# Allegro board 6089-119-RevA_41.brd (continued)
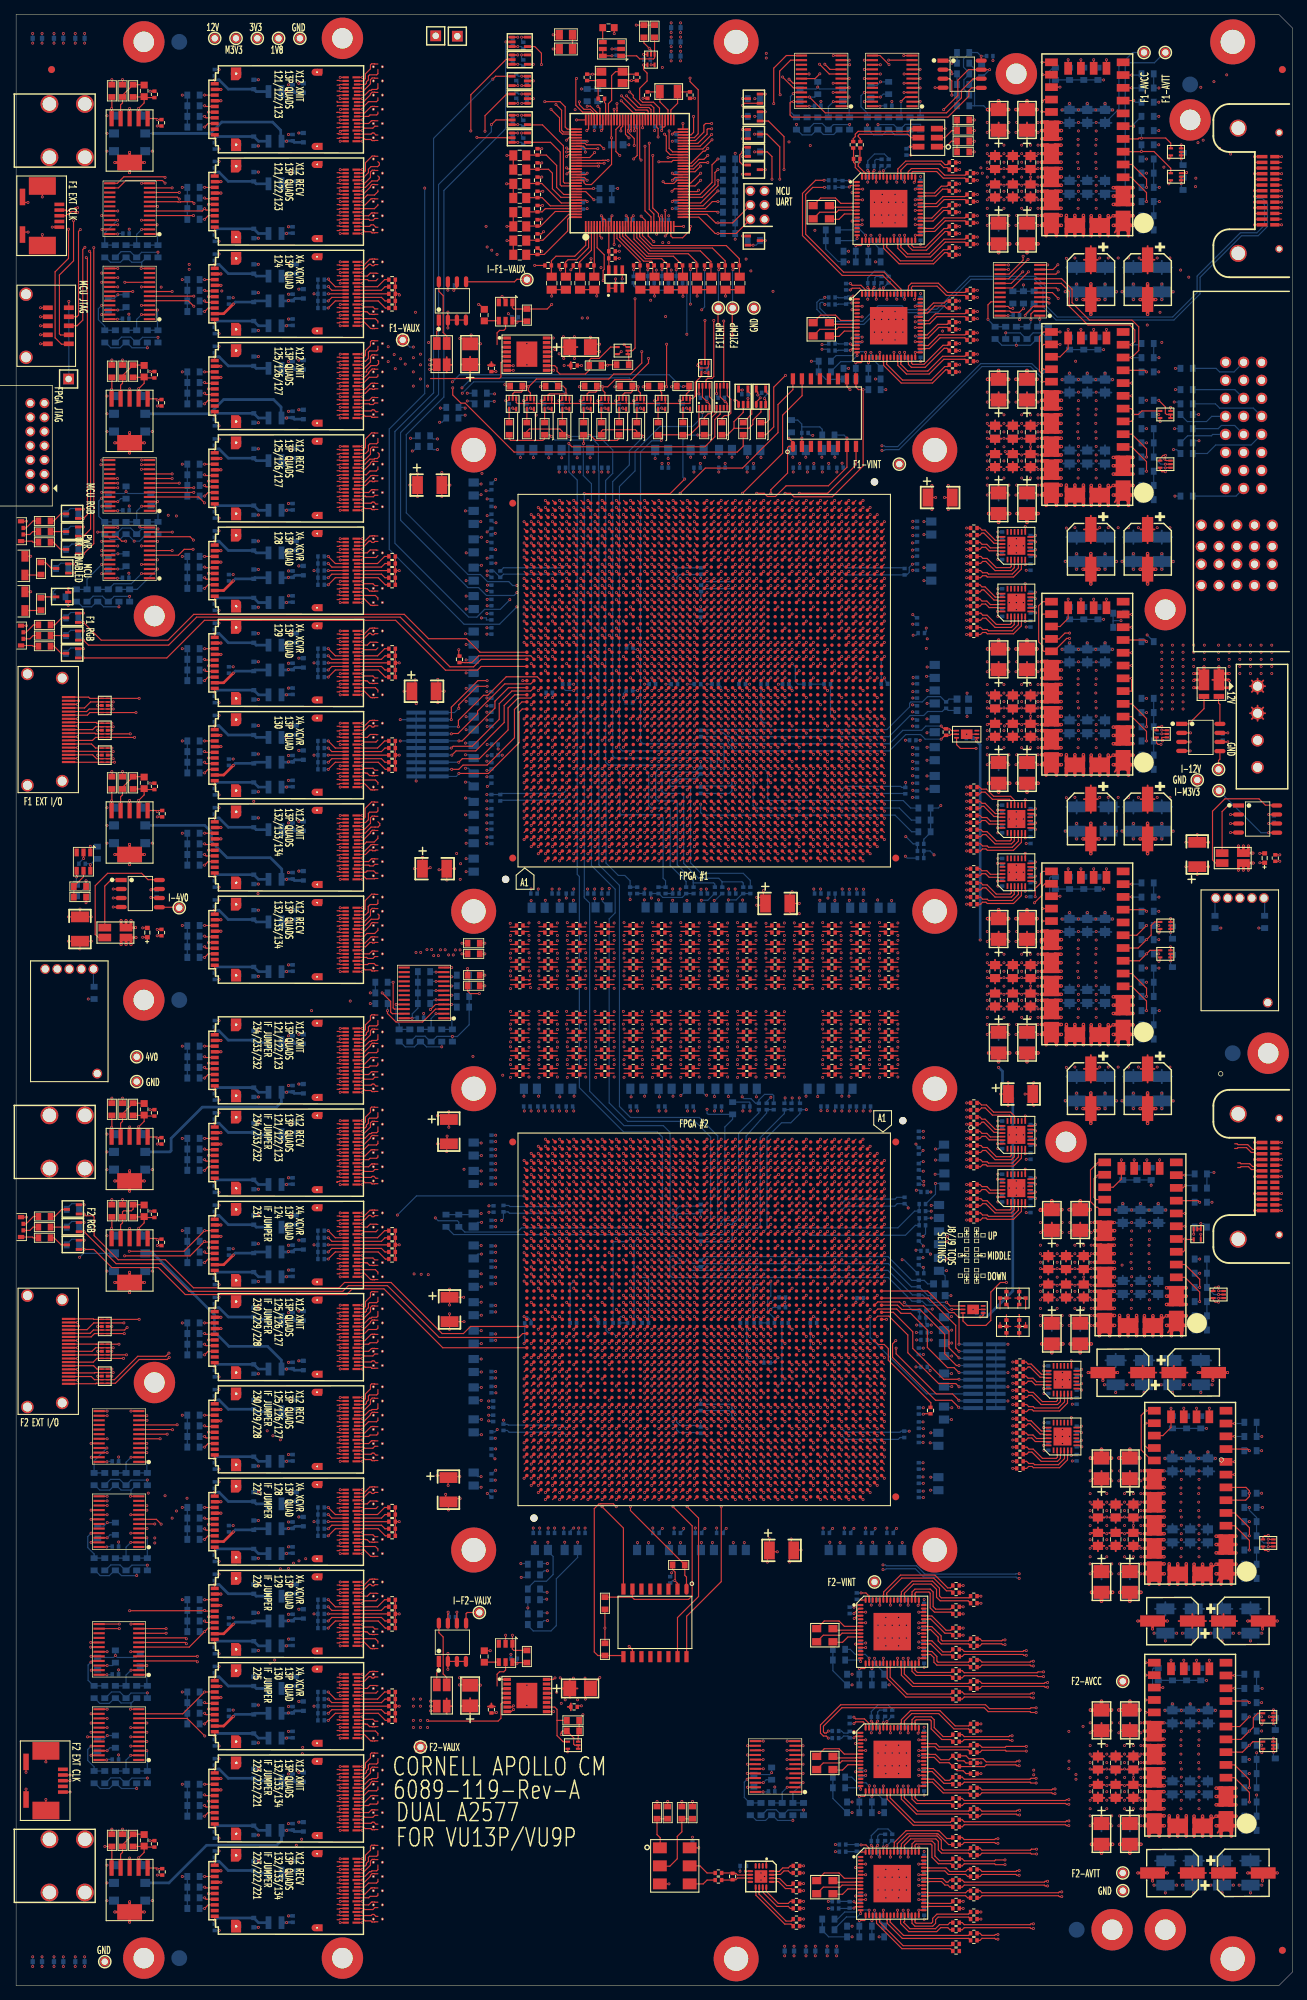
[diagram p0: board, top side]
## Nets (continued)
BC_NR1C_9: C316.1 U89.58
BC_NSYN_R0A_INA: C847.1 U87.53
BC_NUTIL: C191.1 U71.5
BC_NUTIL_0: C235.1 U82.10
BC_NUTIL_1: C233.1 U82.12
BC_NUTIL_2: C231.1 U82.14
BC_NUTIL_3: C229.1 U82.16
BC_PF1_TCDS_RECOV_CLK: C841.1 U75.BJ26
BC_PF1L_R0_1: C372.1 U96.5
BC_PF1L_R0_2: C370.1 U96.3
BC_PF1L_R0_3: C368.1 U96.23
BC_PF1L_R0_4: C366.1 U96.21
BC_PF1L_R0_5: C380.1 U97.5
BC_PF1L_R0_6: C378.1 U97.3
BC_PF1L_R0_7: C376.1 U97.23
BC_PF1L_R0_8: C374.1 U97.21
BC_PF1R_R0_1: C390.1 U98.5
BC_PF1R_R0_2: C388.1 U98.3
BC_PF1R_R0_3: C386.1 U98.23
BC_PF1R_R0_4: C384.1 U98.21
BC_PF1R_R0_5: C382.1 U98.17
BC_PF1R_R0_6: C396.1 U99.5
BC_PF1R_R0_7: C394.1 U99.3
BC_PF1R_R0_8: C392.1 U99.23
BC_PF2L_R0_1: C472.1 U103.5
BC_PF2L_R0_2: C470.1 U103.3
BC_PF2L_R0_3: C468.1 U103.23
BC_PF2L_R0_4: C466.1 U103.21
BC_PF2L_R0_5: C480.1 U104.5
BC_PF2L_R0_6: C478.1 U104.3
BC_PF2L_R0_7: C476.1 U104.23
BC_PF2L_R0_8: C474.1 U104.21
BC_PF2R_R0_1: C406.1 U100.5
BC_PF2R_R0_2: C404.1 U100.3
BC_PF2R_R0_3: C402.1 U100.23
BC_PF2R_R0_4: C400.1 U100.21
BC_PF2R_R0_5: C398.1 U100.17
BC_PF2R_R0_6: C412.1 U101.5
BC_PF2R_R0_7: C410.1 U101.3
BC_PF2R_R0_8: C408.1 U101.23
BC_PHQ_CLK_IN: C837.1 P2.15
BC_PLHC_CLK_IN: C848.1 P2.16
BC_PR0_FP_CLK: C850.1 J2.3
BC_PR0_OSC: C261.1 U92.4
BC_PR0A_0: C305.1 U86.24
BC_PR0A_1: C355.1 U86.28
BC_PR0A_2: C303.1 U86.31
BC_PR0A_3: C353.1 U86.35
BC_PR0A_4: C301.1 U86.38
BC_PR0A_5: C351.1 U86.42
BC_PR0A_6: C299.1 U86.45
BC_PR0A_7: C349.1 U86.51
BC_PR0A_8: C297.1 U86.54
BC_PR0A_FB: C811.1 U86.59
BC_PR0B_1: C313.1 U87.24
BC_PR0B_2: C363.1 U87.28
BC_PR0B_3: C311.1 U87.31
BC_PR0B_4: C361.1 U87.35
BC_PR0B_5: C309.1 U87.38
BC_PR0B_6: C359.1 U87.42
BC_PR0B_7: C307.1 U87.45
BC_PR0B_8: C357.1 U87.51
BC_PR0B_FB: C812.1 U87.59
BC_PR1_FP_CLK: C843.1 J3.3
BC_PR1A_0: C439.1 U91.24
BC_PR1A_1: C345.1 U91.28
BC_PR1A_2: C437.1 U91.31
BC_PR1A_3: C343.1 U91.35
BC_PR1A_4: C435.1 U91.38
BC_PR1A_5: C341.1 U91.42
BC_PR1A_6: C433.1 U91.45
BC_PR1A_7: C339.1 U91.51
BC_PR1A_8: C431.1 U91.54
BC_PR1A_9: C337.1 U91.56
BC_PR1A_10: C347.1 U91.21
BC_PR1A_FB: C810.1 U91.59
BC_PR1B_0: C335.1 U90.24
BC_PR1B_1: C429.1 U90.28
BC_PR1B_2: C333.1 U90.31
BC_PR1B_3: C427.1 U90.35
BC_PR1B_4: C331.1 U90.38
BC_PR1B_5: C329.1 C425.1 U90.42
BC_PR1B_6: C423.1 U90.45
BC_PR1B_7: C327.1 U90.51
BC_PR1B_8: C421.1 U90.54
BC_PR1B_FB: C809.1 U90.59
BC_PR1C_0: C325.1 U89.24
BC_PR1C_1: C419.1 U89.28
BC_PR1C_2: C323.1 U89.31
BC_PR1C_3: C417.1 U89.35
BC_PR1C_4: C321.1 U89.38
BC_PR1C_5: C415.1 U89.42
BC_PR1C_6: C319.1 U89.45
BC_PR1C_7: C317.1 U89.51
BC_PR1C_8: C413.1 U89.54
BC_PR1C_9: C315.1 U89.59
BC_PSYN_R0A_IN1: C846.1 U87.54
BC_PUTIL: C192.1 U71.4
BC_PUTIL_0: C236.1 U82.9
BC_PUTIL_1: C234.1 U82.11
BC_PUTIL_2: C232.1 U82.13
BC_PUTIL_3: C230.1 U82.15
CM_TO_SM_PWR_OK: P1.1 Q1.1 R691.1 U68.76
CUR_F2_V_VCCAUX: PM12.1 R132.1 U46.5
CUR_V_4V0: PM4.1 R94.1 U23.5
CUR_V_12V: PM25.1 R102.1 U120.5
CUR_V_F1_VCCAUX: PM13.1 R130.1 U45.5
CUR_V_M3V3: PM26.1 R96.1 U123.5
EN_1V8: R237.1 U108.6 U113.4(Y)
EN_3V3: R238.1 U1.1 U108.5 U114.4(Y)
EN_F1_AVCC: R208.1 U105.5 U116.4(Y)
EN_F1_AVTT: R207.1 U105.6 U115.4(Y)
EN_F1_FF1_XMIT_3V8: R14.2 U13.5 U18.14
EN_F1_FF2_XMIT_3V8: R15.2 U16.5 U18.15
EN_F1_FF3_XMIT_3V8: R16.2 U18.16 U19.5
EN_F1_INT: R219.1 U106.5 U106.6 U107.5 U107.6 U111.4(Y)
EN_F1_VCCAUX: R106.2 U56.10 U66.4(Y)
EN_F2_AVCC: R165.1 U118.5 U126.4(Y)
EN_F2_AVTT: R164.1 U118.6 U125.4(Y)
EN_F2_FF1_XMIT_3V8: R17.2 U12.14 U20.5
EN_F2_FF2_XMIT_3V8: R18.2 U12.15 U21.5
EN_F2_FF3_XMIT_3V8: R19.2 U12.16 U22.5
EN_F2_INT: R153.1 U109.5 U109.6 U117.5 U117.6 U119.4(Y)
EN_F2_VCCAUX: R100.2 U57.10 U61.4(Y)
F1_CFG_DONE: Q13.1 R295.2 U75.AP14
F1_CFG_START: Q14.1 R403.2 U68.103
F1_FF1_XMIT_3V8_SEL: SW1.5 U18.17
F1_FF2_XMIT_3V8_SEL: SW2.5 U18.18
F1_FF3_XMIT_3V8_SEL: SW3.5 U18.19
F1_HDR01: J12.1 U75.L28
F1_HDR02: J12.3 U75.L29
F1_HDR03: J12.5 U75.C26
F1_HDR04: J12.7 U75.B26
F1_HDR05: J12.9 U75.A25
F1_HDR06: J12.11 U75.B25
F1_HDR07: J12.13 U75.A24
F1_HDR08: J12.15 U75.B24
F1_HDR09: J12.17 U75.A23
F1_HDR10: J12.19 U75.A22
F1_LED_BLUE: Q6.1 R688.2 U75.A30
F1_LED_GREEN: Q7.1 R689.2 U75.A29
F1_LED_RED: Q8.1 R690.2 U75.A28
F1_TCK: R108.2 R119.2 U75.AF13
F1_TDI: R124.2 R129.2 U75.AH13 U76.1
F1_TDO: U75.AG14 U76.2
F1_TEMP_DIODE: PM14.1 R133.1 U94.3(V_TEMP)
F1_TMS: R83.2 R97.2 U75.AE14
F1L_X4_R0_SEL: U88.5 U97.13
F1L_X12_R0_SEL: U88.4 U96.13
F1R_X4_R0_SEL: U88.7 U99.13
F1R_X12_R0_SEL: U88.6 U98.13
F2_CFG_DONE: Q12.1 R479.2 U77.AP14
F2_CFG_START: Q17.1 R405.2 U68.23
F2_FF1_XMIT_3V8_SEL: SW4.5 U12.17
F2_FF2_XMIT_3V8_SEL: SW5.5 U12.18
F2_FF3_XMIT_3V8_SEL: SW6.5 U12.19
F2_HDR01: J11.1 U77.L28
F2_HDR02: J11.3 U77.L29
F2_HDR03: J11.5 U77.C26
F2_HDR04: J11.7 U77.B26
F2_HDR05: J11.9 U77.A25
F2_HDR06: J11.11 U77.B25
F2_HDR07: J11.13 U77.A24
F2_HDR08: J11.15 U77.B24
F2_HDR09: J11.17 U77.A23
F2_HDR10: J11.19 U77.A22
F2_LED_BLUE: Q9.1 R682.2 U77.BL27
F2_LED_GREEN: Q10.1 R683.2 U77.BL28
F2_LED_RED: Q11.1 R684.2 U77.BL30
F2_TCK: R103.2 R115.2 U77.AF13
F2_TDI: R131.2 U77.AH13 U79.1
F2_TDO: U77.AG14 U79.2
F2_TEMP_DIODE: PM15.1 R136.1 U95.3(V_TEMP)
F2_TEST_CONN_5: J6.15 U6.4 U6.7 U77.BA29
F2_TEST_CONN_6: J6.16 U6.2 U6.9 U77.BA28
F2_TMS: R80.2 R93.2 U77.AE14
F2L_X4_R0_SEL: U83.5 U104.13
F2L_X12_R0_SEL: U83.4 U103.13
F2R_X4_R0_SEL: U83.7 U101.13
F2R_X12_R0_SEL: U83.6 U100.13
FP_JTAG_TCK: J1.6 R117.1 U67.2 U69.2
FP_JTAG_TDI: J1.10 R128.2 U74.2
FP_JTAG_TDO: J1.8 R137.2
FP_JTAG_TMS: J1.4 R95.1 U59.2 U60.2
FP_MCU_TCK: J4.6 U68.100
FP_MCU_TDI: J4.10 U68.98
FP_MCU_TDO: J4.8 U68.97
FP_MCU_TMS: J4.4 U68.99
FPGA_CFG_FROM_FLASH: Q15.1 Q16.1 R404.1 U68.102
HIVF1_C2C_OK: U54.4 U68.116
HIVF1_TO_MCU: U50.4 U68.72
HIVF2_C2C_OK: U55.4 U68.117
HIVF2_TO_MCU: U51.4 U68.73
HIVMCU_TO_F1: U52.2 U68.74
HIVMCU_TO_F2: U53.2 U68.75
I2C_SCL_CLOCKS: R373.1 U68.51 U84.22 U93.6
I2C_SCL_F1_FF1_RECV: R545.1 U14.7 U25A.8
I2C_SCL_F1_FF1_XMIT: R541.1 U14.5 U24A.8
I2C_SCL_F1_FF2_RECV: R557.1 U14.14 U28A.8
I2C_SCL_F1_FF2_XMIT: R553.1 U14.11 U27A.8
I2C_SCL_F1_FF3_RECV: R577.1 U17.14 U33A.8
I2C_SCL_F1_FF3_XMIT: R573.1 U17.11 U32A.8
I2C_SCL_F1_FF4_XCVR: R549.1 U14.9 U26A.8
I2C_SCL_F1_FF5_XCVR: R561.1 U17.5 U29A.8
I2C_SCL_F1_FF6_XCVR: R565.1 U17.7 U30A.8
I2C_SCL_F1_FF7_XCVR: R569.1 U17.9 U31A.8
I2C_SCL_F1_GENERIC: R489.1 U44.9 U75.V36
I2C_SCL_F1_GTY_PWR: R204.1 U102.16 U105.10
I2C_SCL_F1_OPTICS: R641.1 U14.22 U17.22 U68.55
I2C_SCL_F1_SYSMON: R488.1 U44.11 U75.BB16
I2C_SCL_F2_FF1_RECV: R585.1 U9.7 U35A.8
I2C_SCL_F2_FF1_XMIT: R581.1 U9.5 U34A.8
I2C_SCL_F2_FF2_RECV: R597.1 U9.14 U38A.8
I2C_SCL_F2_FF2_XMIT: R593.1 U9.11 U37A.8
I2C_SCL_F2_FF3_RECV: R617.1 U11.14 U43A.8
I2C_SCL_F2_FF3_XMIT: R613.1 U11.11 U42A.8
I2C_SCL_F2_FF4_XCVR: R589.1 U9.9 U36A.8
I2C_SCL_F2_FF5_XCVR: R601.1 U11.5 U39A.8
I2C_SCL_F2_FF6_XCVR: R605.1 U11.7 U40A.8
I2C_SCL_F2_FF7_XCVR: R609.1 U11.9 U41A.8
I2C_SCL_F2_GENERIC: R491.1 U44.5 U77.V36
I2C_SCL_F2_GTY_PWR: R161.1 U102.18 U118.10
I2C_SCL_F2_OPTICS: R655.1 U9.22 U11.22 U68.53
I2C_SCL_F2_SYSMON: R490.1 U44.7 U77.BB16
I2C_SCL_FPGAS: R495.1 U44.22 U68.95
I2C_SCL_PWR: R285.1 U68.49 U102.22
I2C_SCL_SYN_R0A: R365.1 U84.5 U86.16
I2C_SCL_SYN_R0B: R372.1 U84.7 U87.16
I2C_SCL_SYN_R1A: R369.1 U84.9 U91.16
I2C_SCL_SYN_R1B: R363.1 U84.11 U90.16
I2C_SCL_SYN_R1C: R361.1 U84.14 U89.16
I2C_SCL_V_3V3_1V8: R234.1 U102.5 U108.10
I2C_SCL_V_F1_INT_A: R248.1 U102.7 U107.10
I2C_SCL_V_F1_INT_B: R216.1 U102.9 U106.10
I2C_SCL_V_F2_INT_A: R151.1 U102.11 U117.10
I2C_SCL_V_F2_INT_B: R174.1 U102.14 U109.10
I2C_SDA_CLOCKS: R379.1 U68.52 U84.23 U93.5
I2C_SDA_F1_FF1_RECV: R544.1 U14.6 U25A.7
I2C_SDA_F1_FF1_XMIT: R540.1 U14.4 U24A.7
I2C_SDA_F1_FF2_RECV: R556.1 U14.13 U28A.7
I2C_SDA_F1_FF2_XMIT: R552.1 U14.10 U27A.7
I2C_SDA_F1_FF3_RECV: R576.1 U17.13 U33A.7
I2C_SDA_F1_FF3_XMIT: R572.1 U17.10 U32A.7
I2C_SDA_F1_FF4_XCVR: R548.1 U14.8 U26A.7
I2C_SDA_F1_FF5_XCVR: R560.1 U17.4 U29A.7
I2C_SDA_F1_FF6_XCVR: R564.1 U17.6 U30A.7
I2C_SDA_F1_FF7_XCVR: R568.1 U17.8 U31A.7
I2C_SDA_F1_GENERIC: R476.1 U44.8 U75.J32
I2C_SDA_F1_GTY_PWR: R203.1 U102.15 U105.11
I2C_SDA_F1_OPTICS: R660.1 U14.23 U17.23 U68.56
I2C_SDA_F1_SYSMON: R475.1 U44.10 U75.BC16
I2C_SDA_F2_FF1_RECV: R584.1 U9.6 U35A.7
I2C_SDA_F2_FF1_XMIT: R580.1 U9.4 U34A.7
I2C_SDA_F2_FF2_RECV: R596.1 U9.13 U38A.7
I2C_SDA_F2_FF2_XMIT: R592.1 U9.10 U37A.7
I2C_SDA_F2_FF3_RECV: R616.1 U11.13 U43A.7
I2C_SDA_F2_FF3_XMIT: R612.1 U11.10 U42A.7
I2C_SDA_F2_FF4_XCVR: R588.1 U9.8 U36A.7
I2C_SDA_F2_FF5_XCVR: R600.1 U11.4 U39A.7
I2C_SDA_F2_FF6_XCVR: R604.1 U11.6 U40A.7
I2C_SDA_F2_FF7_XCVR: R608.1 U11.8 U41A.7
I2C_SDA_F2_GENERIC: R478.1 U44.4 U77.J32
I2C_SDA_F2_GTY_PWR: R160.1 U102.17 U118.11
I2C_SDA_F2_OPTICS: R672.1 U9.23 U11.23 U68.54
I2C_SDA_F2_SYSMON: R477.1 U44.6 U77.BC16
I2C_SDA_FPGAS: R496.1 U44.23 U68.96
I2C_SDA_PWR: R283.1 U68.50 U102.23
I2C_SDA_SYN_R0A: R364.1 U84.4 U86.18
I2C_SDA_SYN_R0B: R371.1 U84.6 U87.18
I2C_SDA_SYN_R1A: R368.1 U84.8 U91.18
I2C_SDA_SYN_R1B: R362.1 U84.10 U90.18
I2C_SDA_SYN_R1C: R360.1 U84.13 U89.18
I2C_SDA_V_3V3_1V8: R233.1 U102.4 U108.11
I2C_SDA_V_F1_INT_A: R247.1 U102.6 U107.11
I2C_SDA_V_F1_INT_B: R215.1 U102.8 U106.11
I2C_SDA_V_F2_INT_A: R150.1 U102.10 U117.11
I2C_SDA_V_F2_INT_B: R173.1 U102.13 U109.11
ID_EEPROM_WP: R288.2 U68.107 U93.7(WP)
JTAG_FROM_SM: U68.108 U78.2
LOVF1_C2C_OK: U54.2 U75.L35
LOVF1_TO_MCU: U50.2 U75.M36
LOVF2_C2C_OK: U55.2 U77.L35
LOVF2_TO_MCU: U51.2 U77.M36
LOVMCU_TO_F1: U52.4 U75.L33
LOVMCU_TO_F2: U53.4 U77.L33
MCU_ENABLED: Q2.1 R692.1 U68.70 U70.4(Y)
MCU_LED_BLUE: Q3.1 R685.2 U68.106
MCU_LED_GREEN: Q4.1 R686.2 U68.105
MCU_LED_RED: Q5.1 R687.2 U68.104
MCU_VREFA: C116.1 C117.1 U65.6(VOUT) U68.9
MCUEN_1V8: R197.2 U68.78 U113.1 U113.2
MCUEN_3V3: R198.2 U68.77 U114.1 U114.2
MCUEN_F1_AVCC: R196.2 U68.82 U116.1 U116.2
MCUEN_F1_AVTT: R195.2 U68.83 U115.1 U115.2
MCUEN_F1_INT: R218.2 U68.81 U111.1 U111.2
MCUEN_F1_VCCAUX: R116.2 U66.1 U66.2 U68.84
MCUEN_F2_AVCC: R148.2 U68.86 U126.1 U126.2
MCUEN_F2_AVTT: R147.2 U68.93 U125.1 U125.2
MCUEN_F2_INT: R176.2 U68.85 U119.1 U119.2
MCUEN_F2_VCCAUX: R101.2 U61.1 U61.2 U68.94
NCON1_TCDS_IN: P2.23 U75.BG33
NCON1_TCDS_OUT: P2.24 U75.BH40
NCON2_TCDS_IN: J8.3 U77.BG33
NCON2_TCDS_MIXED_IN: J8.1 P3.23
NCON2_TCDS_MIXED_OUT: J9.1 P3.24
NCON2_TCDS_OUT: J9.3 U77.BH40
NF1_A_RECV0: C217.1 U75.AU1
NF1_A_RECV1: C215.1 U75.AT3
NF1_A_RECV2: C213.1 U75.AR1
NF1_A_RECV3: C211.1 U75.AP3
NF1_A_XMIT0: C225.2 U75.AU6
NF1_A_XMIT1: C223.2 U75.AT8
NF1_A_XMIT2: C221.2 U75.AR6
NF1_A_XMIT3: C219.2 U75.AP8
NF1_B_RECV0: C201.1 U75.AN1
NF1_B_RECV1: C199.1 U75.AM3
NF1_B_RECV2: C197.1 U75.AL1
NF1_B_RECV3: C195.1 U75.AK3
NF1_B_XMIT0: C209.2 U75.AN6
NF1_B_XMIT1: C207.2 U75.AM8
NF1_B_XMIT2: C205.2 U75.AL6
NF1_B_XMIT3: C203.2 U75.AK8
NF1_C_RECV0: C181.1 U75.AJ1
NF1_C_RECV1: C179.1 U75.AH3
NF1_C_RECV2: C177.1 U75.AG1
NF1_C_RECV3: C175.1 U75.AF3
NF1_C_XMIT0: C189.2 U75.AJ6
NF1_C_XMIT1: C187.2 U75.AH8
NF1_C_XMIT2: C185.2 U75.AG6
NF1_C_XMIT3: C183.2 U75.AF8
NF1_D_RECV0: C163.1 U75.AE1
NF1_D_RECV1: C161.1 U75.AD3
NF1_D_RECV2: C159.1 U75.AC1
NF1_D_RECV3: C157.1 U75.AB3
NF1_D_XMIT0: C171.2 U75.AE6
NF1_D_XMIT1: C169.2 U75.AD8
NF1_D_XMIT2: C167.2 U75.AC6
NF1_D_XMIT3: C165.2 U75.AB8
NF1_E_RECV0: C144.1 U75.AA1
NF1_E_RECV1: C142.1 U75.Y3
NF1_E_RECV2: C140.1 U75.W1
NF1_E_RECV3: C138.1 U75.V3
NF1_E_XMIT0: C152.2 U75.AA6
NF1_E_XMIT1: C150.2 U75.Y8
NF1_E_XMIT2: C148.2 U75.W6
NF1_E_XMIT3: C146.2 U75.V8
NF1_F_RECV0: C124.1 U75.U1
NF1_F_RECV1: C122.1 U75.T3
NF1_F_RECV2: C120.1 U75.R1
NF1_F_RECV3: C118.1 U75.P3
NF1_F_XMIT0: C132.2 U75.U6
NF1_F_XMIT1: C130.2 U75.T8
NF1_F_XMIT2: C128.2 U75.R6
NF1_F_XMIT3: C126.2 U75.P8
NF1_FF1_RECV0: U25A.A17 U75.BB49
NF1_FF1_RECV1: U25A.B17 U75.BC51
NF1_FF1_RECV2: U25A.A14 U75.BD49
NF1_FF1_RECV3: U25A.B14 U75.BE51
NF1_FF1_RECV4: U25A.A11 U75.BF49
NF1_FF1_RECV5: U25A.B11 U75.BG47
NF1_FF1_RECV6: U25A.A8 U75.BG51
NF1_FF1_RECV7: U25A.B8 U75.BH49
NF1_FF1_RECV8: U25A.A5 U75.BJ47
NF1_FF1_RECV9: U25A.B5 U75.BL47
NF1_FF1_RECV10: U25A.A2 U75.BL33
NF1_FF1_RECV11: U25A.B2 U75.BK35
NF1_FF1_XMIT0: U24A.B17 U75.BB44
NF1_FF1_XMIT1: U24A.A17 U75.BC46
NF1_FF1_XMIT2: U24A.B14 U75.BD44
NF1_FF1_XMIT3: U24A.A14 U75.BE46
NF1_FF1_XMIT4: U24A.B11 U75.BF44
NF1_FF1_XMIT5: U24A.A11 U75.BH44
NF1_FF1_XMIT6: U24A.B8 U75.BJ42
NF1_FF1_XMIT7: U24A.A8 U75.BG42
NF1_FF1_XMIT8: U24A.B5 U75.BK44
NF1_FF1_XMIT9: U24A.A5 U75.BL42
NF1_FF1_XMIT10: U24A.B2 U75.BK40
NF1_FF1_XMIT11: U24A.A2 U75.BL38
NF1_FF2_RECV0: U28A.A17 U75.AF49
NF1_FF2_RECV1: U28A.B17 U75.AG51
NF1_FF2_RECV2: U28A.A14 U75.AH49
NF1_FF2_RECV3: U28A.B14 U75.AJ51
NF1_FF2_RECV4: U28A.A11 U75.AK49
NF1_FF2_RECV5: U28A.B11 U75.AL51
NF1_FF2_RECV6: U28A.A8 U75.AM49
NF1_FF2_RECV7: U28A.B8 U75.AN51
NF1_FF2_RECV8: U28A.A5 U75.AP49
NF1_FF2_RECV9: U28A.B5 U75.AR51
NF1_FF2_RECV10: U28A.A2 U75.AT49
NF1_FF2_RECV11: U28A.B2 U75.AU51
NF1_FF2_XMIT0: U27A.B17 U75.AF44
NF1_FF2_XMIT1: U27A.A17 U75.AG46
NF1_FF2_XMIT2: U27A.B14 U75.AH44
NF1_FF2_XMIT3: U27A.A14 U75.AJ46
NF1_FF2_XMIT4: U27A.B11 U75.AK44
NF1_FF2_XMIT5: U27A.A11 U75.AL46
NF1_FF2_XMIT6: U27A.B8 U75.AM44
NF1_FF2_XMIT7: U27A.A8 U75.AN46
NF1_FF2_XMIT8: U27A.B5 U75.AP44
NF1_FF2_XMIT9: U27A.A5 U75.AR46
NF1_FF2_XMIT10: U27A.B2 U75.AT44
NF1_FF2_XMIT11: U27A.A2 U75.AU46
NF1_FF3_RECV0: U33A.A17 U75.C33
NF1_FF3_RECV1: U33A.B17 U75.B35
NF1_FF3_RECV2: U33A.A14 U75.A33
NF1_FF3_RECV3: U33A.B14 U75.A47
NF1_FF3_RECV4: U33A.A11 U75.C47
NF1_FF3_RECV5: U33A.B11 U75.E47
NF1_FF3_RECV6: U33A.A8 U75.D49
NF1_FF3_RECV7: U33A.B8 U75.E51
NF1_FF3_RECV8: U33A.A5 U75.F49
NF1_FF3_RECV9: U33A.B5 U75.G51
NF1_FF3_RECV10: U33A.A2 U75.H49
NF1_FF3_RECV11: U33A.B2 U75.J51
NF1_FF3_XMIT0: U32A.B17 U75.C38
NF1_FF3_XMIT1: U32A.A17 U75.A38
NF1_FF3_XMIT2: U32A.B14 U75.B40
NF1_FF3_XMIT3: U32A.A14 U75.A42
NF1_FF3_XMIT4: U32A.B11 U75.E42
NF1_FF3_XMIT5: U32A.A11 U75.C42
NF1_FF3_XMIT6: U32A.B8 U75.B44
NF1_FF3_XMIT7: U32A.A8 U75.D44
NF1_FF3_XMIT8: U32A.B5 U75.F44
NF1_FF3_XMIT9: U32A.A5 U75.G46
NF1_FF3_XMIT10: U32A.B2 U75.H44
NF1_FF3_XMIT11: U32A.A2 U75.J46
NF1_FF4_RECV0: U26A.B18 U75.BA51
NF1_FF4_RECV1: U26A.A18 U75.AY49
NF1_FF4_RECV2: U26A.B15 U75.AW51
NF1_FF4_RECV3: U26A.A15 U75.AV49
NF1_FF4_XMIT0: U26A.A2 U75.BA46
NF1_FF4_XMIT1: U26A.B2 U75.AY44
NF1_FF4_XMIT2: U26A.A5 U75.AW46
NF1_FF4_XMIT3: U26A.B5 U75.AV44
NF1_FF5_RECV0: U29A.B18 U75.AE51
NF1_FF5_RECV1: U29A.A18 U75.AD49
NF1_FF5_RECV2: U29A.B15 U75.AC51
NF1_FF5_RECV3: U29A.A15 U75.AB49
NF1_FF5_XMIT0: U29A.A2 U75.AE46
NF1_FF5_XMIT1: U29A.B2 U75.AD44
NF1_FF5_XMIT2: U29A.A5 U75.AC46
NF1_FF5_XMIT3: U29A.B5 U75.AB44
NF1_FF6_RECV0: U30A.B18 U75.AA51
NF1_FF6_RECV1: U30A.A18 U75.Y49
NF1_FF6_RECV2: U30A.B15 U75.W51
NF1_FF6_RECV3: U30A.A15 U75.V49
NF1_FF6_XMIT0: U30A.A2 U75.AA46
NF1_FF6_XMIT1: U30A.B2 U75.Y44
NF1_FF6_XMIT2: U30A.A5 U75.W46
NF1_FF6_XMIT3: U30A.B5 U75.V44
NF1_FF7_RECV0: U31A.B18 U75.U51
NF1_FF7_RECV1: U31A.A18 U75.T49
NF1_FF7_RECV2: U31A.B15 U75.R51
NF1_FF7_RECV3: U31A.A15 U75.P49
NF1_FF7_XMIT0: U31A.A2 U75.U46
NF1_FF7_XMIT1: U31A.B2 U75.T44
NF1_FF7_XMIT2: U31A.A5 U75.R46
NF1_FF7_XMIT3: U31A.B5 U75.P44
NF1_G_RECV0: C105.1 U75.N1
NF1_G_RECV1: C103.1 U75.M3
NF1_G_RECV2: C101.1 U75.L1
NF1_G_RECV3: C99.1 U75.K3
NF1_G_XMIT0: C113.2 U75.N6
NF1_G_XMIT1: C111.2 U75.M8
NF1_G_XMIT2: C109.2 U75.L6
NF1_G_XMIT3: C107.2 U75.K8
NF1_H_RECV0: C84.1 U75.J1
NF1_H_RECV1: C82.1 U75.H3
NF1_H_RECV2: C80.1 U75.G1
NF1_H_RECV3: C78.1 U75.F3
NF1_H_XMIT0: C92.2 U75.J6
NF1_H_XMIT1: C90.2 U75.H8
NF1_H_XMIT2: C88.2 U75.G6
NF1_H_XMIT3: C86.2 U75.F8
NF1_I_RECV0: C64.1 U75.E1
NF1_I_RECV1: C62.1 U75.D3
NF1_I_RECV2: C59.1 U75.E5
NF1_I_RECV3: C61.1 U75.C5
NF1_I_XMIT0: C72.2 U75.D8
NF1_I_XMIT1: C70.2 U75.B8
NF1_I_XMIT2: C69.2 U75.C10
NF1_I_XMIT3: C67.2 U75.E10
NF1_J_RECV0: C49.1 U75.A5
NF1_J_RECV1: C47.1 U75.A19
NF1_J_RECV2: C45.1 U75.B17
NF1_J_RECV3: C43.1 U75.C19
NF1_J_XMIT0: C57.2 U75.A10
NF1_J_XMIT1: C55.2 U75.B12
NF1_J_XMIT2: C51.2 U75.A14
NF1_J_XMIT3: C53.2 U75.C14
NF1_M_RECV0: C283.1 U75.BK17
NF1_M_RECV1: C285.1 U75.BL19
NF1_M_RECV2: C281.1 U75.BL5
NF1_M_RECV3: C279.1 U75.BJ5
NF1_M_XMIT0: C293.2 U75.BL14
NF1_M_XMIT1: C291.2 U75.BK12
NF1_M_XMIT2: C289.2 U75.BL10
NF1_M_XMIT3: C287.2 U75.BK8
NF1_N_RECV0: C269.1 U75.BH3
NF1_N_RECV1: C265.1 U75.BG1
NF1_N_RECV2: C267.1 U75.BG5
NF1_N_RECV3: C263.1 U75.BF3
NF1_N_XMIT0: C273.2 U75.BG10
NF1_N_XMIT1: C277.2 U75.BJ10
NF1_N_XMIT2: C275.2 U75.BH8
NF1_N_XMIT3: C271.2 U75.BF8
NF1_O_RECV0: C251.1 U75.BE1
NF1_O_RECV1: C249.1 U75.BD3
NF1_O_RECV2: C247.1 U75.BC1
NF1_O_RECV3: C245.1 U75.BB3
NF1_O_XMIT0: C259.2 U75.BE6
NF1_O_XMIT1: C257.2 U75.BD8
NF1_O_XMIT2: C255.2 U75.BC6
NF1_O_XMIT3: C253.2 U75.BB8
NF1_TCDS_CROSS_RECV_A: C239.2 U75.BH35
NF1_TCDS_CROSS_RECV_B: C242.2 U75.BH17
NF1_TCDS_CROSS_XMIT_A: C238.2 U75.BG38
NF1_TCDS_CROSS_XMIT_B: C244.2 U75.BG14
NF1_TEST_CONN_0: J5.3 U5.4 U5.7 U75.BE28
NF1_TEST_CONN_1: J5.6 U5.1 U5.10 U75.AY31
NF1_TEST_CONN_2: J5.9 U4.4 U4.7 U75.AW29
NF1_TEST_CONN_3: J5.12 U4.1 U4.10 U75.AV31
NF1_TEST_CONN_4: J5.19 U3.1 U3.10 U75.BA30
NF1_TEST_CONN_6: J5.16 U3.2 U3.9 U75.BA28
NF1F2_SPARE0: U75.D30 U77.BH29
NF1F2_SPARE1: U75.D29 U77.BG30
NF1F2_SPARE2: U75.C30 U77.BG27
NF2_A_RECV0: C132.1 U77.AP3
NF2_A_RECV1: C130.1 U77.AR1
NF2_A_RECV2: C128.1 U77.AT3
NF2_A_RECV3: C126.1 U77.AU1
NF2_A_XMIT0: C124.2 U77.AP8
NF2_A_XMIT1: C122.2 U77.AR6
NF2_A_XMIT2: C120.2 U77.AT8
NF2_A_XMIT3: C118.2 U77.AU6
NF2_B_RECV0: C152.1 U77.AK3
NF2_B_RECV1: C150.1 U77.AL1
NF2_B_RECV2: C148.1 U77.AM3
NF2_B_RECV3: C146.1 U77.AN1
NF2_B_XMIT0: C144.2 U77.AK8
NF2_B_XMIT1: C142.2 U77.AL6
NF2_B_XMIT2: C140.2 U77.AM8
NF2_B_XMIT3: C138.2 U77.AN6
NF2_C_RECV0: C171.1 U77.AF3
NF2_C_RECV1: C169.1 U77.AG1
NF2_C_RECV2: C167.1 U77.AH3
NF2_C_RECV3: C165.1 U77.AJ1
NF2_C_XMIT0: C163.2 U77.AF8
NF2_C_XMIT1: C161.2 U77.AG6
NF2_C_XMIT2: C159.2 U77.AH8
NF2_C_XMIT3: C157.2 U77.AJ6
NF2_D_RECV0: C189.1 U77.AB3
NF2_D_RECV1: C187.1 U77.AC1
NF2_D_RECV2: C185.1 U77.AD3
NF2_D_RECV3: C183.1 U77.AE1
NF2_D_XMIT0: C181.2 U77.AB8
NF2_D_XMIT1: C179.2 U77.AC6
NF2_D_XMIT2: C177.2 U77.AD8
NF2_D_XMIT3: C175.2 U77.AE6
NF2_E_RECV0: C209.1 U77.V3
NF2_E_RECV1: C207.1 U77.W1
NF2_E_RECV2: C205.1 U77.Y3
NF2_E_RECV3: C203.1 U77.AA1
NF2_E_XMIT0: C201.2 U77.V8
NF2_E_XMIT1: C199.2 U77.W6
NF2_E_XMIT2: C197.2 U77.Y8
NF2_E_XMIT3: C195.2 U77.AA6
NF2_F_RECV0: C225.1 U77.P3
NF2_F_RECV1: C223.1 U77.R1
NF2_F_RECV2: C221.1 U77.T3
NF2_F_RECV3: C219.1 U77.U1
NF2_F_XMIT0: C217.2 U77.P8
NF2_F_XMIT1: C215.2 U77.R6
NF2_F_XMIT2: C213.2 U77.T8
NF2_F_XMIT3: C211.2 U77.U6
NF2_FF1_RECV0: U35A.A17 U77.BB49
NF2_FF1_RECV1: U35A.B17 U77.BC51
NF2_FF1_RECV2: U35A.A14 U77.BD49
NF2_FF1_RECV3: U35A.B14 U77.BE51
NF2_FF1_RECV4: U35A.A11 U77.BF49
NF2_FF1_RECV5: U35A.B11 U77.BG47
NF2_FF1_RECV6: U35A.A8 U77.BG51
NF2_FF1_RECV7: U35A.B8 U77.BH49
NF2_FF1_RECV8: U35A.A5 U77.BJ47
NF2_FF1_RECV9: U35A.B5 U77.BL47
NF2_FF1_RECV10: U35A.A2 U77.BL33
NF2_FF1_RECV11: U35A.B2 U77.BK35
NF2_FF1_XMIT0: U34A.B17 U77.BB44
NF2_FF1_XMIT1: U34A.A17 U77.BC46
NF2_FF1_XMIT2: U34A.B14 U77.BD44
NF2_FF1_XMIT3: U34A.A14 U77.BE46
NF2_FF1_XMIT4: U34A.B11 U77.BF44
NF2_FF1_XMIT5: U34A.A11 U77.BH44
NF2_FF1_XMIT6: U34A.B8 U77.BJ42
NF2_FF1_XMIT7: U34A.A8 U77.BG42
NF2_FF1_XMIT8: U34A.B5 U77.BK44
NF2_FF1_XMIT9: U34A.A5 U77.BL42
NF2_FF1_XMIT10: U34A.B2 U77.BK40
NF2_FF1_XMIT11: U34A.A2 U77.BL38
NF2_FF2_RECV0: U38A.A17 U77.AF49
NF2_FF2_RECV1: U38A.B17 U77.AG51
NF2_FF2_RECV2: U38A.A14 U77.AH49
NF2_FF2_RECV3: U38A.B14 U77.AJ51
NF2_FF2_RECV4: U38A.A11 U77.AK49
NF2_FF2_RECV5: U38A.B11 U77.AL51
NF2_FF2_RECV6: U38A.A8 U77.AM49
NF2_FF2_RECV7: U38A.B8 U77.AN51
NF2_FF2_RECV8: U38A.A5 U77.AP49
NF2_FF2_RECV9: U38A.B5 U77.AR51
NF2_FF2_RECV10: U38A.A2 U77.AT49
NF2_FF2_RECV11: U38A.B2 U77.AU51
NF2_FF2_XMIT0: U37A.B17 U77.AF44
NF2_FF2_XMIT1: U37A.A17 U77.AG46
NF2_FF2_XMIT2: U37A.B14 U77.AH44
NF2_FF2_XMIT3: U37A.A14 U77.AJ46
NF2_FF2_XMIT4: U37A.B11 U77.AK44
NF2_FF2_XMIT5: U37A.A11 U77.AL46
NF2_FF2_XMIT6: U37A.B8 U77.AM44
NF2_FF2_XMIT7: U37A.A8 U77.AN46
NF2_FF2_XMIT8: U37A.B5 U77.AP44
NF2_FF2_XMIT9: U37A.A5 U77.AR46
NF2_FF2_XMIT10: U37A.B2 U77.AT44
NF2_FF2_XMIT11: U37A.A2 U77.AU46
NF2_FF3_RECV0: U43A.A17 U77.C33
NF2_FF3_RECV1: U43A.B17 U77.B35
NF2_FF3_RECV2: U43A.A14 U77.A33
NF2_FF3_RECV3: U43A.B14 U77.A47
NF2_FF3_RECV4: U43A.A11 U77.C47
NF2_FF3_RECV5: U43A.B11 U77.E47
NF2_FF3_RECV6: U43A.A8 U77.D49
NF2_FF3_RECV7: U43A.B8 U77.E51
NF2_FF3_RECV8: U43A.A5 U77.F49
NF2_FF3_RECV9: U43A.B5 U77.G51
NF2_FF3_RECV10: U43A.A2 U77.H49
NF2_FF3_RECV11: U43A.B2 U77.J51
NF2_FF3_XMIT0: U42A.B17 U77.C38
NF2_FF3_XMIT1: U42A.A17 U77.A38
NF2_FF3_XMIT2: U42A.B14 U77.B40
NF2_FF3_XMIT3: U42A.A14 U77.A42
NF2_FF3_XMIT4: U42A.B11 U77.E42
NF2_FF3_XMIT5: U42A.A11 U77.C42
NF2_FF3_XMIT6: U42A.B8 U77.B44
NF2_FF3_XMIT7: U42A.A8 U77.D44
NF2_FF3_XMIT8: U42A.B5 U77.F44
NF2_FF3_XMIT9: U42A.A5 U77.G46
NF2_FF3_XMIT10: U42A.B2 U77.H44
NF2_FF3_XMIT11: U42A.A2 U77.J46
NF2_FF4_RECV0: U36A.B18 U77.BA51
NF2_FF4_RECV1: U36A.A18 U77.AY49
NF2_FF4_RECV2: U36A.B15 U77.AW51
NF2_FF4_RECV3: U36A.A15 U77.AV49
NF2_FF4_XMIT0: U36A.A2 U77.BA46
NF2_FF4_XMIT1: U36A.B2 U77.AY44
NF2_FF4_XMIT2: U36A.A5 U77.AW46
NF2_FF4_XMIT3: U36A.B5 U77.AV44
NF2_FF5_RECV0: U39A.B18 U77.AE51
NF2_FF5_RECV1: U39A.A18 U77.AD49
NF2_FF5_RECV2: U39A.B15 U77.AC51
NF2_FF5_RECV3: U39A.A15 U77.AB49
NF2_FF5_XMIT0: U39A.A2 U77.AE46
NF2_FF5_XMIT1: U39A.B2 U77.AD44
NF2_FF5_XMIT2: U39A.A5 U77.AC46
NF2_FF5_XMIT3: U39A.B5 U77.AB44
NF2_FF6_RECV0: U40A.B18 U77.AA51
NF2_FF6_RECV1: U40A.A18 U77.Y49
NF2_FF6_RECV2: U40A.B15 U77.W51
NF2_FF6_RECV3: U40A.A15 U77.V49
NF2_FF6_XMIT0: U40A.A2 U77.AA46
NF2_FF6_XMIT1: U40A.B2 U77.Y44
NF2_FF6_XMIT2: U40A.A5 U77.W46
NF2_FF6_XMIT3: U40A.B5 U77.V44
NF2_FF7_RECV0: U41A.B18 U77.U51
NF2_FF7_RECV1: U41A.A18 U77.T49
NF2_FF7_RECV2: U41A.B15 U77.R51
NF2_FF7_RECV3: U41A.A15 U77.P49
NF2_FF7_XMIT0: U41A.A2 U77.U46
NF2_FF7_XMIT1: U41A.B2 U77.T44
NF2_FF7_XMIT2: U41A.A5 U77.R46
NF2_FF7_XMIT3: U41A.B5 U77.P44
NF2_H_RECV0: C259.1 U77.F3
NF2_H_RECV1: C257.1 U77.G1
NF2_H_RECV2: C255.1 U77.H3
NF2_H_RECV3: C253.1 U77.J1
NF2_H_XMIT0: C251.2 U77.F8
NF2_H_XMIT1: C249.2 U77.G6
NF2_H_XMIT2: C247.2 U77.H8
NF2_H_XMIT3: C245.2 U77.J6
NF2_I_RECV0: C273.1 U77.C5
NF2_I_RECV1: C277.1 U77.E5
NF2_I_RECV2: C275.1 U77.D3
NF2_I_RECV3: C271.1 U77.E1
NF2_I_XMIT0: C269.2 U77.E10
NF2_I_XMIT1: C265.2 U77.C10
NF2_I_XMIT2: C267.2 U77.B8
NF2_I_XMIT3: C263.2 U77.D8
NF2_J_RECV0: C293.1 U77.C19
NF2_J_RECV1: C291.1 U77.B17
NF2_J_RECV2: C289.1 U77.A19
NF2_J_RECV3: C287.1 U77.A5
NF2_J_XMIT0: C283.2 U77.C14
NF2_J_XMIT1: C285.2 U77.A14
NF2_J_XMIT2: C281.2 U77.B12
NF2_J_XMIT3: C279.2 U77.A10
NF2_M_RECV0: C57.1 U77.BJ5
NF2_M_RECV1: C55.1 U77.BL5
NF2_M_RECV2: C51.1 U77.BL19
NF2_M_RECV3: C53.1 U77.BK17
NF2_M_XMIT0: C49.2 U77.BK8
NF2_M_XMIT1: C47.2 U77.BL10
NF2_M_XMIT2: C45.2 U77.BK12
NF2_M_XMIT3: C43.2 U77.BL14
NF2_N_RECV0: C72.1 U77.BF3
NF2_N_RECV1: C70.1 U77.BG5
NF2_N_RECV2: C69.1 U77.BG1
NF2_N_RECV3: C67.1 U77.BH3
NF2_N_XMIT0: C64.2 U77.BF8
NF2_N_XMIT1: C62.2 U77.BH8
NF2_N_XMIT2: C59.2 U77.BJ10
NF2_N_XMIT3: C61.2 U77.BG10
NF2_O_RECV0: C92.1 U77.BB3
NF2_O_RECV1: C90.1 U77.BC1
NF2_O_RECV2: C88.1 U77.BD3
NF2_O_RECV3: C86.1 U77.BE1
NF2_O_XMIT0: C84.2 U77.BB8
NF2_O_XMIT1: C82.2 U77.BC6
NF2_O_XMIT2: C80.2 U77.BD8
NF2_O_XMIT3: C78.2 U77.BE6
NF2_P_RECV0: C113.1 U77.AV3
NF2_P_RECV1: C111.1 U77.AW1
NF2_P_RECV2: C109.1 U77.AY3
NF2_P_RECV3: C107.1 U77.BA1
NF2_P_XMIT0: C105.2 U77.AV8
NF2_P_XMIT1: C103.2 U77.AW6
NF2_P_XMIT2: C101.2 U77.AY8
NF2_P_XMIT3: C99.2 U77.BA6
NF2_TCDS_CROSS_RECV_A: C238.1 U77.BH35
NF2_TCDS_CROSS_RECV_B: C244.1 U77.BH17
NF2_TCDS_CROSS_XMIT_A: C239.1 U77.BG38
NF2_TCDS_CROSS_XMIT_B: C242.1 U77.BG14
NF2_TEST_CONN_0: J6.3 U8.4 U8.7 U77.BE28
NF2_TEST_CONN_1: J6.6 U8.1 U8.10 U77.AY31
NF2_TEST_CONN_2: J6.9 U7.4 U7.7 U77.AW29
NF2_TEST_CONN_3: J6.12 U7.1 U7.10 U77.AV31
NF2_TEST_CONN_4: J6.19 U6.1 U6.10 U77.BA30
NF2F1_SPARE0: U75.BH29 U77.D30
NF2F1_SPARE1: U75.BG30 U77.D29
NF2F1_SPARE2: U75.BG27 U77.C30
NMGT_F1_TO_SM_1: P2.11 U75.BH12
NMGT_F1_TO_SM_2: P2.12 U75.BF12
NMGT_F2_TO_SM_1: P3.11 U77.BH12
NMGT_F2_TO_SM_2: P3.12 U77.BF12
NMGT_SM_TO_F1_1: P2.5 U75.BG19
NMGT_SM_TO_F1_2: P2.6 U75.BF17
NMGT_SM_TO_F2_1: P3.5 U77.BG19
NMGT_SM_TO_F2_2: P3.6 U77.BF17
NTCDS_FROM_ZYNQ_A: J8.4 U75.BJ33
NTCDS_FROM_ZYNQ_B: J8.2 U75.BJ19
NTCDS_TO_ZYNQ_A: J9.4 U75.BJ38
NTCDS_TO_ZYNQ_B: J9.2 U75.BJ14
NV_1V8_SENSE: R79.1 U108.20
NV_3V3_SENSE: R77.1 U108.18
NV_F1_AVCC_SENSE: R473.1 U105.18
NV_F1_AVTT_SENSE: R480.1 U105.20
NV_F1_INT_SENSE: R486.1 U106.18 U106.20 U107.18 U107.20
NV_F2_AVCC_SENSE: R465.1 U118.18
NV_F2_AVTT_SENSE: R466.1 U118.20
NV_F2_INT_SENSE: R463.1 U109.18 U109.20 U117.18 U117.20
NXTAL_R0A: U86.9 X3.3
NXTAL_R0B: U87.9 X4.3
NXTAL_R1A: U91.9 X7.3
NXTAL_R1B: U90.9 X6.3
NXTAL_R1C: U89.9 X5.3
OSC0: C134.1 U68.88 X1.1
OSC1: R107.2 U68.89
PCON1_TCDS_IN: P2.21 U75.BG32